# Altium PCB RPS_ARMOR_PCB_2022_V1.0.PcbDoc (continued)
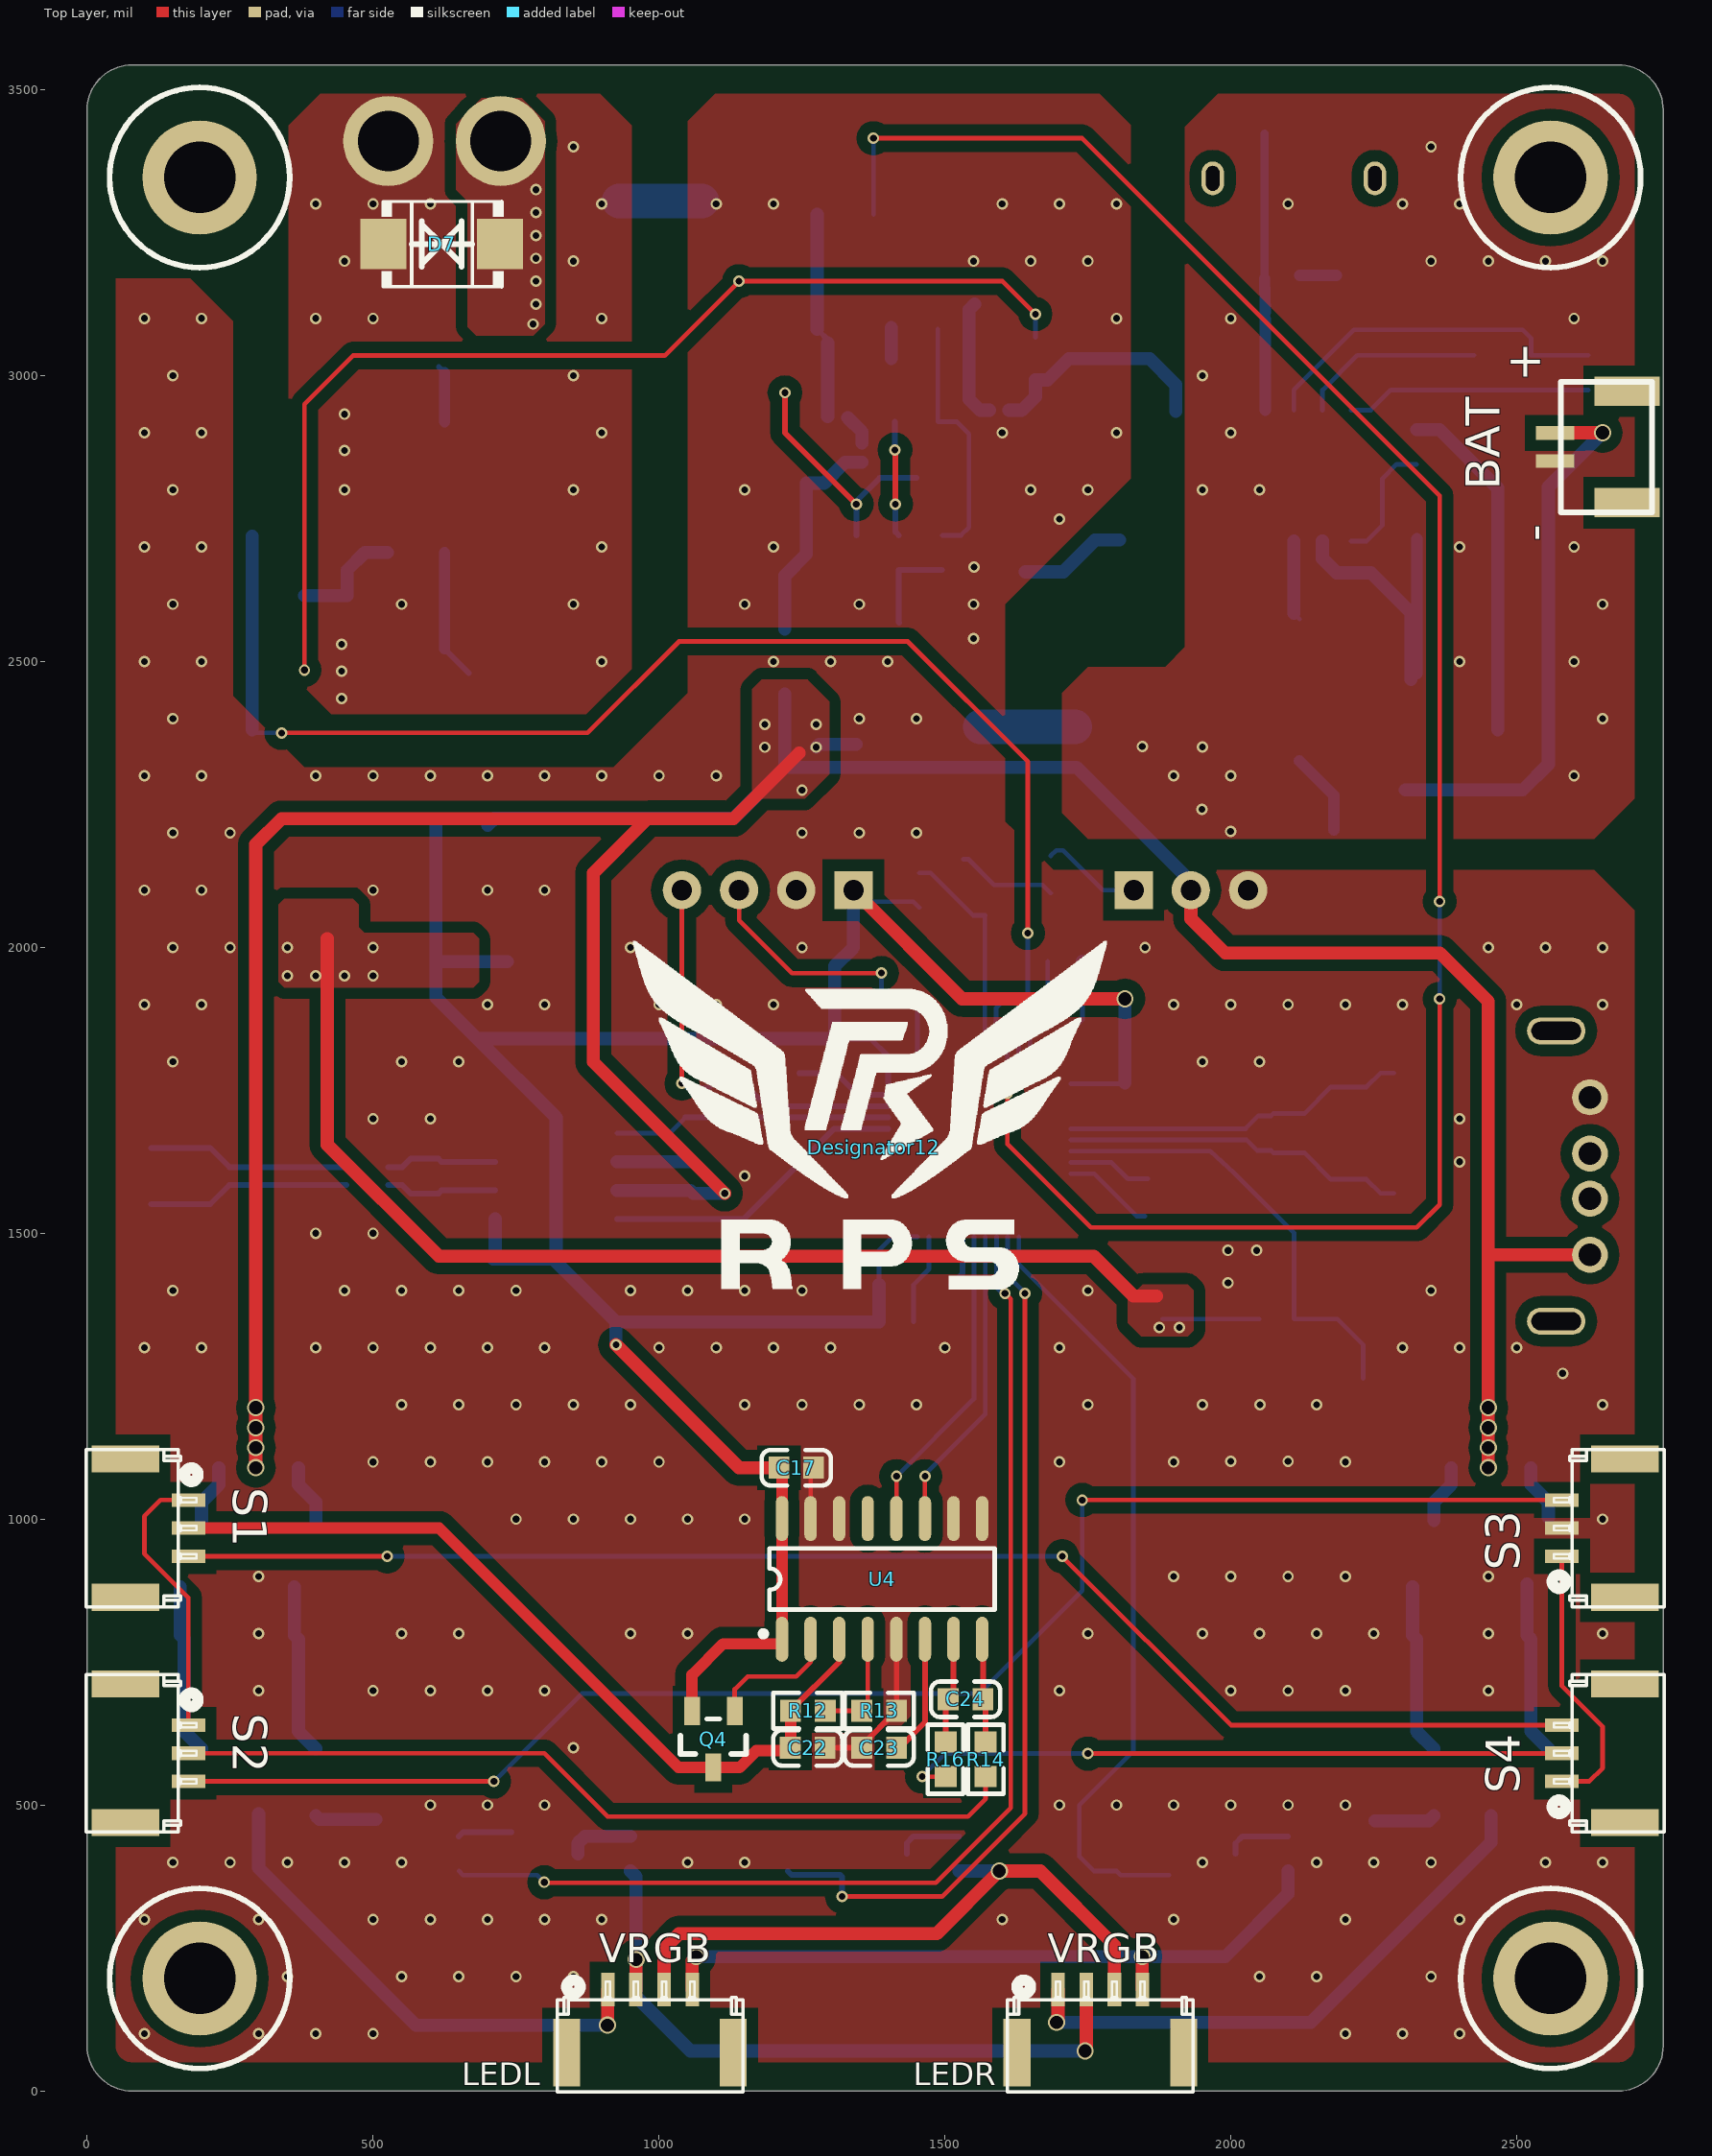
[diagram p0: Top Layer view]
## Footprints (in the part's own frame and the unit in brackets; to place one, negate y for a bottom-side part, rotate by r counter-clockwise, add the part's x,y. Pads: shape width x height; smd on the part's side, far side on the other; paste and mask are expansions set on the pad) (continued)
TP [mil]
  round 30 smd: 1(0,0)
  silkscreen extent -20,-20 20,20
"TSW SMD-6*6*8" [mm] "6*6*8mm"
  rect 2.7x1 smd: 1(-4.4,2.261)
  oval 2.7x1 smd: 2(-4.4,-2.239) 3(4.4,-2.239) 4(4.4,2.261)
  silkscreen extent -2.79,-2.79 2.79,2.79, body extent -4.5,-3 4.5,3, height 7.95
USB-A-TH_USB-A-F-1 [mm]
  oval 1.2x2.6 hole 0.8 slot 2.2 at 90 deg: 0(-6.45,-0.75) 0(6.45,-0.75)
  round 1.6 hole 1: 1(-3.5,0.75) 2(-1,0.75) 3(1,0.75) 4(3.5,0.75)
  silkscreen extent -6.25,-4.92 6.25,3.31
XH2.54-LS-2P [mm] "长：10mm，宽：6mm，高：8.3mm"
  rect 1.6x3 smd: 0(-4.826,1.016) 0(4.826,1.016)
  rect 1.2x5 smd: 1(-1.25,-3.383) 2(1.25,-3.383)
  silkscreen extent -5,-3.13 5,3, body extent -5,-6 5,3, height 8
XH2.54-LS-3P [mm] "长：12.5mm，宽：6mm，高：8.3mm"
  rect 1.6x3 smd: 0(-6.076,1.016) 0(6.076,1.016)
  rect 1.2x5 smd: 1(-2.5,-3.383) 2(0,-3.383) 3(2.5,-3.383)
  silkscreen extent -6.25,-3.13 6.25,3, body extent -6.25,-6 6.25,3, height 8
XT30UPB-M [mm]
  round 4 hole 2.7: 1(-2.5,0) 2(2.5,0)
  body extent -5.2,-2.7 5.2,2.6, height 12.6

## Part data
3.3V-LEDL 3.3V-LEDR 3.3V-MCU 3.7-4.2V 5V 5V-IN 24V GND: "测试点"
BAT: "GH1.25端子", BOM_Manufacturer="Changjiang Connectors", BOM_Manufacturer Part=A1257WR-S-2P, BOM_Supplier=LCSC, BOM_Supplier Part=C225125, Contributor=LCSC, spicePre=C, spiceSymbolName=A1257WR-S-2P
C1 C2 C3 C4 C6 C7 C18 C19 C25 C26 C29 C31 C41 C43 C47 C49: library part "0603 22uF (226) 20% 6.3V", "C109448", Package=0603, SuppliersPartNumber=C59461, ComponentLink1Description=供应商链接, ComponentLink1URL=http://www.szlcsc.com/product/details_60514.html, Supplier=LC
C5 C8: library part "0603 10uF (106) 10% 10V", "C19702", Package=0603, ComponentLink1Description=供应商链接, ComponentLink1URL=http://www.szlcsc.com/product/details_20411.html, Supplier=LC, SuppliersPartNumber=C19702
C9 C10 C13 C14 C15 C16: library part "1206 10uF (106) 10% 50V", "C2835503", Package=1206, SuppliersPartNumber=C13585, ComponentLink1Description=供应商链接, ComponentLink1URL=http://www.szlcsc.com/product/details_14236.html, Supplier=LC
C11 C12: library part "0805 1uF (105) 10% 50V", "C2217678", Package=0805, SuppliersPartNumber=C28323, ComponentLink1Description=供应商链接, ComponentLink1URL=http://www.szlcsc.com/product/details_29074.html, Supplier=LC
C17 C22: library part "0603 10uF (106) 10% 10V", "贴片电容", Package=0603, SuppliersPartNumber=C19702, ComponentLink1Description=供应商链接, ComponentLink1URL=http://www.szlcsc.com/product/details_20411.html, Supplier=LC
C20 C21 C23 C24 C27 C28 C30 C32 C42 C44 C48 C50 C52 C53 C55 C56: library part "0603 100nF (104) 10% 50V", "贴片电容", Package=0603, SuppliersPartNumber=C14663, ComponentLink1Description=供应商链接, ComponentLink1URL=http://www.szlcsc.com/product/details_15331.html, Supplier=LC
C33 C35 C37 C39 C45: library part "0603 1uF (105) 10% 50V", "贴片电容", Package=0603, SuppliersPartNumber=C15849, ComponentLink1Description=供应商链接, ComponentLink1URL=http://www.szlcsc.com/product/details_16531.html, Supplier=LC
C34 C36 C38 C40 C46: library part "0603 10nF (103) 10% 50V", "贴片电容", Package=0603, SuppliersPartNumber=C57112, ComponentLink1Description=供应商链接, ComponentLink1URL=http://www.szlcsc.com/product/details_58143.html, Supplier=LC
C51 C54: library part "0603 20pF (200) 5% 50V", "贴片电容", Package=0603, SuppliersPartNumber=C1648, ComponentLink1Description=供应商链接, ComponentLink1URL=http://www.szlcsc.com/product/details_2000.html, Supplier=LC
CAN: library part GH1.25-2P, "XH2.54端子", BOM_Manufacturer="Changjiang Connectors", BOM_Manufacturer Part=A1257WR-S-2P, BOM_Supplier=LCSC, BOM_Supplier Part=C225125, Contributor=LCSC, spicePre=C, spiceSymbolName=A1257WR-S-2P
CN5: library part GH1.25-3P, "XH2.54端子", BOM_Manufacturer="Changjiang Connectors", BOM_Manufacturer Part=A1257WV-S-3P, BOM_Supplier=LCSC, BOM_Supplier Part=C225119, Contributor=LCSC, spicePre=C, spiceSymbolName=A1257WV-S-3P
D1 D2: library part "SMA(DO-214AC) SS54", "C408258", Package=SMA(DO-214AC), SuppliersPartNumber=C22452, ComponentLink1Description=供应商链接, ComponentLink1URL=http://www.szlcsc.com/product/details_23178.html, Supplier=LC
D3 D4 D5 D6: library part "0603 蓝灯", "发光二极管", Package=0603, SuppliersPartNumber=C72041, ComponentLink1Description=供应商链接, ComponentLink1URL=http://www.szlcsc.com/product/details_73150.html, Supplier=LC
D7: library part SMBJ30CA-C78418, "C78418", BOM_JLCPCB Part Class="Extended Part", BOM_Manufacturer=Brightking, BOM_Manufacturer Part=SMBJ30CA, BOM_Supplier=LCSC, BOM_Supplier Part=C78418, spicePre=D, spiceSymbolName=SMBJ30CA-C78418
D8: library part "SOD-123 B5819W  SL", "C699157稳压二极管", Package=SOD-123, SuppliersPartNumber=C8598, ComponentLink1Description=供应商链接, ComponentLink1URL=http://www.szlcsc.com/product/details_9093.html, Supplier=LC
D9: "C113945", BOM_JLCPCB Part Class="Extended Part", BOM_Manufacturer="(MDD) Jiangsu Yutai Elec", BOM_Manufacturer Part=SB1045L, BOM_Supplier=LCSC, BOM_Supplier Part=C113945, Contributor=LCSC, spicePre=D, spiceSymbolName=SB1045L
F1: library part FSMD, "C883130", BOM_JLCPCB Part Class="Extended Part", BOM_Manufacturer=BHFUSE, BOM_Manufacturer Part=BSMD0603L-110, BOM_Supplier=LCSC, BOM_Supplier Part=C914093, Contributor=LCSC, spicePre=F, spiceSymbolName=BSMD0603L-110
L1: "C87572", BOM_JLCPCB Part Class="Extended Part", BOM_Manufacturer=TDK, BOM_Manufacturer Part=SPM6530T-1R0M120, BOM_Supplier=LCSC, BOM_Supplier Part=C87572, nameAlias=Inductance, spicePre=L, spiceSymbolName=SPM6530T-1R0M120
L2: library part "0805 47uH 10%", "C149588", Package=0805, SuppliersPartNumber=C14304, ComponentLink1Description=供应商链接, ComponentLink1URL=http://www.szlcsc.com/product/details_14964.html, Supplier=LC
L3: library part "0805 1uH 10%", "C1042", Package=0805, ComponentLink1Description=供应商链接, ComponentLink1URL=http://www.szlcsc.com/product/details_1394.html, Supplier=LC, SuppliersPartNumber=C1042
L4: library part "90Ω @100MHz", "C307642", BOM_JLCPCB Part Class="Extended Part", BOM_Manufacturer=TDK, BOM_Manufacturer Part=ACM2012H-900-2P-T00, BOM_Supplier=LCSC, BOM_Supplier Part=C76575, nameAlias=Value, spicePre=L, spiceSymbolName=ACM2012H-900-2P-T00
LED SW2: "C136667", BOM_JLCPCB Part Class="Extended Part", BOM_Manufacturer="XKB Enterprise", BOM_Manufacturer Part=TS-1102S-C-K-B, BOM_Supplier=LCSC, BOM_Supplier Part=C381049, Contributor=LCSC, spicePre=S, spiceSymbolName=TS-1102S-C-K-B
LEDL LEDR: "GH1.25端子", BOM_Manufacturer="Changjiang Connectors", BOM_Manufacturer Part=A1257WV-S-4P, BOM_Supplier=LCSC, BOM_Supplier Part=C225120, Contributor=LCSC, spicePre=C, spiceSymbolName=A1257WV-S-4P
P1: "XT端子"
P2: "Header, 4-Pin", LatestRevisionDate=17-Jul-2002, LatestRevisionNote="Re-released for DXP Platform.", Publisher="Altium Limited"
P3: "Header, 3-Pin", LatestRevisionDate=17-Jul-2002, LatestRevisionNote="Re-released for DXP Platform.", Publisher="Altium Limited"
Q1 Q2: "MOS(场效应管)", Package=SOT-23, SuppliersPartNumber=C15127, ComponentLink1Description=供应商链接, ComponentLink1URL=http://www.szlcsc.com/product/details_15801.html, Supplier=LC
Q3: library part "SOT-23 MMBT5401 2L", "C53444 三极管", Package=SOT-23, SuppliersPartNumber=C8326, ComponentLink1Description=供应商链接, ComponentLink1URL=http://www.szlcsc.com/product/details_8818.html, Supplier=LC
Q4: library part "SOT-23 SS8550 Y2", "C8542", Package=SOT-23, ComponentLink1Description=供应商链接, ComponentLink1URL=http://www.szlcsc.com/product/details_9037.html, Supplier=LC, SuppliersPartNumber=C8542
Q5: library part "SOT-23 MMBT5551  G1", "C20526三极管", Package=SOT-23, SuppliersPartNumber=C2145, ComponentLink1Description=供应商链接, ComponentLink1URL=http://www.szlcsc.com/product/details_2502.html, Supplier=LC
Q6 Q7 Q8: library part "AO3400A N道沟 X0YV1T SOT-23", "MOS(场效应管)", Package=SOT-23, SuppliersPartNumber=C20917, ComponentLink1Description=供应商链接, ComponentLink1URL=http://www.szlcsc.com/product/details_21629.html, Supplier=LC
R1 R2: library part "0402 0Ω (0R0) 1%", "贴片电阻", Package=0402, SuppliersPartNumber=C17168, ComponentLink1Description=供应商链接, ComponentLink1URL=http://www.szlcsc.com/product/details_17853.html, Supplier=LC
R3: library part "0603 47KΩ (4702) 1%", "贴片电阻", Package=0603, SuppliersPartNumber=C25819, ComponentLink1Description=供应商链接, ComponentLink1URL=http://www.szlcsc.com/product/details_26562.html, Supplier=LC
R4: library part "0603 1Ω (1R00) 1%", "C25225", Package=0603, SuppliersPartNumber=C22936, ComponentLink1Description=供应商链接, ComponentLink1URL=http://www.szlcsc.com/product/details_23663.html, Supplier=LC
R5: library part "1206 0.1Ω (R100) 1%", "C104947", Package=1206, SuppliersPartNumber=C25334, ComponentLink1Description=供应商链接, ComponentLink1URL=http://www.szlcsc.com/product/details_26077.html, Supplier=LC
R6 R25 R29: library part "0603 4.7KΩ (4701) 1%", "贴片电阻", Package=0603, SuppliersPartNumber=C23162, ComponentLink1Description=供应商链接, ComponentLink1URL=http://www.szlcsc.com/product/details_23889.html, Supplier=LC
R7 R8 R20 R21 R24: library part "0603 10KΩ (1002) 1%", "贴片电阻", Package=0603, SuppliersPartNumber=C25804, ComponentLink1Description=供应商链接, ComponentLink1URL=http://www.szlcsc.com/product/details_26547.html, Supplier=LC
R9 R10 R30 R31 R32: library part "0603 100KΩ (1003) 1%", "贴片电阻", Package=0603, SuppliersPartNumber=C25803, ComponentLink1Description=供应商链接, ComponentLink1URL=http://www.szlcsc.com/product/details_26546.html, Supplier=LC
R11: library part "0603 3.3KΩ (3301) 1%", "贴片电阻", Package=0603, SuppliersPartNumber=C22978, ComponentLink1Description=供应商链接, ComponentLink1URL=http://www.szlcsc.com/product/details_23705.html, Supplier=LC
R12: library part "0603 20KΩ (2002) 1%", "C4184", Package=0603, ComponentLink1Description=供应商链接, ComponentLink1URL=http://www.szlcsc.com/product/details_4591.html, Supplier=LC, SuppliersPartNumber=C4184
R13: library part "0603 8.2KΩ (8201) 1%", "C25981", Package=0603, ComponentLink1Description=供应商链接, ComponentLink1URL=http://www.szlcsc.com/product/details_26724.html, Supplier=LC, SuppliersPartNumber=C25981
R14 R16 R33 R34: library part "0603 100Ω (1000) 1%", "贴片电阻", Package=0603, SuppliersPartNumber=C22775, ComponentLink1Description=供应商链接, ComponentLink1URL=http://www.szlcsc.com/product/details_23502.html, Supplier=LC
R15 R17 R18 R19: library part "1206 0.1Ω (R100) 1%", "贴片电阻", Package=1206, SuppliersPartNumber=C25334, ComponentLink1Description=供应商链接, ComponentLink1URL=http://www.szlcsc.com/product/details_26077.html, Supplier=LC
R22: library part "0603 1MΩ (1004) 1%", "贴片电阻", Package=0603, SuppliersPartNumber=C22935, ComponentLink1Description=供应商链接, ComponentLink1URL=http://www.szlcsc.com/product/details_23662.html, Supplier=LC
R23: library part "0603 120Ω (1200) 1%", "贴片电阻", Package=0603, SuppliersPartNumber=C22787, ComponentLink1Description=供应商链接, ComponentLink1URL=http://www.szlcsc.com/product/details_23514.html, Supplier=LC
R26 R27 R28: library part "0603 1KΩ (1001) 1%", "贴片电阻", Package=0603, SuppliersPartNumber=C21190, ComponentLink1Description=供应商链接, ComponentLink1URL=http://www.szlcsc.com/product/details_21904.html, Supplier=LC
S1 S2 S3 S4: "GH1.25端子", BOM_Manufacturer="Changjiang Connectors", BOM_Manufacturer Part=A1257WV-S-3P, BOM_Supplier=LCSC, BOM_Supplier Part=C225119, Contributor=LCSC, spicePre=C, spiceSymbolName=A1257WV-S-3P
SW1: library part "MST-22D18G2 3J", "C514026", BOM_Manufacturer="SHOU HAN", BOM_Manufacturer Part="MST-22D18G2 3J", BOM_Supplier=LCSC, BOM_Supplier Part=C668586, Contributor=LCSC, spicePre=S, spiceSymbolName="MST-22D18G2 3J"
SW4: "C318938", BOM_JLCPCB Part Class="Extended Part", BOM_Manufacturer="XKB Connectivity(中国星坤)", BOM_Manufacturer Part=TS-1101-C-W, BOM_Supplier=LCSC, BOM_Supplier Part=C318938, Contributor=LCSC, spicePre=S, spiceSymbolName=TS-1101-C-W
U1: "C181692", BOM_JLCPCB Part Class="Extended Part", BOM_Manufacturer=INJOINIC, BOM_Manufacturer Part=IP5306, BOM_Supplier=LCSC, BOM_Supplier Part=C181692, Contributor=LCSC, spicePre=U, spiceSymbolName=IP5306
U2: "C2683415", BOM_JLCPCB Part Class="Extended Part", BOM_Manufacturer=MICRONE(南京微盟), BOM_Manufacturer Part=ME3148ASPG, BOM_Supplier=LCSC, BOM_Supplier Part=C2683415, Contributor=LCSC, spicePre=U, spiceSymbolName=ME3148ASPG
U3: "ARM", Package=LQFP-48_7x7x05P, SuppliersPartNumber=C8734, ComponentLink1Description=供应商链接, ComponentLink1URL=http://www.szlcsc.com/product/details_9243.html, Supplier=LC
U4: BOM_JLCPCB Part Class="Extended Part", BOM_Manufacturer=AVIA, BOM_Manufacturer Part=HX711, BOM_Supplier=LCSC, BOM_Supplier Part=C43656, spicePre=U, spiceSymbolName=HX711
U5: "C6952(C313021)", BOM_JLCPCB Part Class="Basic Part", BOM_Manufacturer=NXP, BOM_Manufacturer Part=TJA1050T/CM,118, BOM_Supplier=LCSC, BOM_Supplier Part=C6952, spicePre=U, spiceSymbolName=TJA1050T/CM,118
USB: library part MICRO-USB-SMD_LI, "C2834965 Micro-B 母座 立贴", BOM_JLCPCB Part Class="Extended Part", BOM_Manufacturer=Yuandi(台湾元迪), BOM_Manufacturer Part=MICRO-21-P2-T3, BOM_Supplier=LCSC, BOM_Supplier Part=C2834965, Contributor=LCSC, spicePre=U, spiceSymbolName=MICRO-21-P2-T3
USB2: BOM_JLCPCB Part Class="Extended Part", BOM_Manufacturer=LCSC, BOM_Manufacturer Part=-, BOM_Supplier=LCSC, BOM_Supplier Part=C109357, Contributor=立创EDA官方封装库, spicePre=U, spiceSymbolName=A/F_C109357
VR1: library part "SOT-223 AMS1117-3.3", "低压差线性稳压(LDO)", Package=SOT-223, SuppliersPartNumber=C6186, ComponentLink1Description=供应商链接, ComponentLink1URL=http://www.szlcsc.com/product/details_6652.html, Supplier=LC
VR2 VR3 VR4 VR5: library part "SOT-23 XC6206P332MR", "低压差线性稳压(LDO)", Package=SOT-23, SuppliersPartNumber=C5446, ComponentLink1Description=供应商链接, ComponentLink1URL=http://www.szlcsc.com/product/details_5896.html, Supplier=LC
Y1: library part "SMD-5032_2P 8MHz 20ppm 20pF", "贴片晶振", Package=SMD-5032_2P, SuppliersPartNumber=C115962, ComponentLink1Description=供应商链接, ComponentLink1URL=http://www.szlcsc.com/product/details_117214.html, Supplier=LC

## Via types
v1: diameter 20, hole 12, Top Layer to Bottom Layer, tented both sides, 330 vias
v2: diameter 30, hole 23, Top Layer to Bottom Layer, tented both sides, 17 vias

## Nets (pads, with @x,y where several pads share a name; then routed paths per layer and width w, separated by ;. In a path a pad name is that pad's centre, name@x,y a point inside that pad or via, vN(x,y) a via of type N, cw(c..) or ccw(c..) an arc to the next point about the centre after c; other vN are vias at no path point)
3.3V-LEDL: 3.3V-LEDL.1 LEDL.1 R15.2 R17.2 | length 988.9
  Top Layer w23: v2(910,115) 910.43,115.43 LEDL.1
  Bottom Layer w23: 300,485 300,390 575,115 v2(910,115) ; R17.2 406.34,475 3.3V-LEDL.1
3.3V-LEDR: 3.3V-LEDR.1 LEDR.1 R18.2 R19.2 | length 1102.1
  Top Layer w23: v2(1695,120) 1697.83,122.83 LEDR.1
  Bottom Layer w23: v2(1695,120) 2140,120 2455,435 2455,481.34 ; 3.3V-LEDR.1 2346.16,472.5 R18.2
3.3V-MCU: 3.3V-MCU.1 C17.2 C19.2 C21.2 C33.2 C34.2 C35.2 C36.2 C37.2 C38.2 C39.2 C40.2 C55.2 C56.1 L3.1 P2.1 Q4.2 R20.2 R25.1 U3.1 U3.24 U3.36 U3.48 U4.1 U4.16 U5.5 VR1.2 | length 7267.3
  Top Layer w20: Q4.2 1057.6,727.6 1111.91,781.91 1215,781.91 1215,1008.09 1215,1084.68 C17.2@1209.68,1084.68
  Top Layer w23: 420,2015 420,1655 615,1460 1760,1460 1830,1390 1870,1390 ; v1(924.69,1305) 1139.69,1090 1204.37,1090 C17.2@1209.68,1084.68 ; P2.1 1530,1910 v2(1814.69,1910)
  Bottom Layer w8: P2.1 1360,2080 1444.69,2080 R25.1 ; C38.2 1384.68,1469.68 1408.82,1493.82 U3.24 ; U3.48@1668.27,1814.45 1680.95,1814.45 1740.31,1873.82 C36.2 C36.2@1740.31,1914.69 ; U3.1 1812.95,1761.54 C40.2@1814.69,1763.27 ; 1880,1350 R20.2
  Bottom Layer w10: C34.2@1306.89,1843.42 C34.2 1369.69,1840.31 1400.55,1809.45 U3.36@1400.55,1763.27
  Bottom Layer w23: VR1.2@610,2213.43 VR1.2@610,1977.2 ; U5.5 713.5,1458.82 C55.2 820,1455.32 820,1702.5 682.19,1840.31 ; 3.3V-MCU.1 612.2,1975 VR1.2@610,1977.2 ; 820,1449.69 924.69,1345 ; v1(924.69,1305) 924.69,1345 ; P2.1 1340,2000 1306.89,1966.89 C56.1 1306.89,1843.42 1303.78,1840.31 C33.2 682.19,1840.31 ; C38.2 C37.2 924.69,1345 ; C35.2@1740.31,1975.32 1740.31,1914.69 1745,1910 v2(1814.69,1910) C39.2 C40.2 C40.2@1814.69,1763.27 ; VR1.2@610,1977.2 610,1912.5 682.19,1840.31
  other v1: 1875,1335 1910,1335 350,1950 400,1950 450,1950 500,1950 350,2000 500,2000
5V: 5V-IN.1 C18.2 C20.2 C26.2 C27.2 C29.2 C30.2 C41.2 C42.2 C47.2 C48.2 C53.1 F1.2 P3.2 U5.3 USB2.1 VR1.3 VR2.3 VR3.3 VR4.3 VR5.3 | length 6693.8
  Top Layer w23: v2(295,1090) v2(295,1125) v2(295,1160) v2(295,1195) 295,2180 340,2225 980,2225 ; v1(1115,1569.69) 885,1799.69 885,2130 980,2225 ; 1245,2340 1130,2225 980,2225 ; P3.2 1930,2050 1990,1990 2365.32,1990 2450,1905.32 2450,1465 ; v2(2450,1090) v2(2450,1125) v2(2450,1160) v2(2450,1195) 2450,1265 2450,1465 ; USB2.1 2452.79,1462.21 2450,1465
  Bottom Layer w23: VR2.3 200,1030 230.31,1060.31 C27.2 ; C30.2 369.69,1060.31 400,1030 VR3.3 ; VR1.3 712.44,2225.32 C20.2 C18.2 1130.32,2225.32 1220,2315 ; U5.3 1054.69,1575 C53.1 v1(1115,1569.69) ; F1.2 1220,2315 ; v1(1275,2350) 1280,2355 5V-IN.1 ; P3.2 1930,2115 1730,2315 1220,2315 ; VR4.3 2355,1030 2385.31,1060.31 C42.2 ; C48.2 2524.68,1060.32 2555,1030 VR5.3
  other v1: 1250,2275 1185,2350 1185,2390 1275,2390
5V-BAT: Q1.2 R1.1 SW1.3 | length 411.4
  Bottom Layer w23: R1.1 1634.5,2939.5 1658.07,2963.07 Q1.2 1679.67,2992.28 1717.07,3029.69 1857.81,3029.69 1903.42,2984.08 SW1.3
5V-EX: C12.2 C13.2 C14.2 C15.2 C16.2 D2.1 L2.2 Q1.1 R8.2 R9.2 | length 1966
  Top Layer w8: v1(380,2485) 380,2950 465,3035 1010,3035 v1(1140,3165) 1600.57,3165 v1(1658.07,3107.5)
  Bottom Layer w8: v1(380,2485) R8.2 ; Q1.1 v1(1658.07,3107.5)
5V-IN: 5V.1 CN5.3 D2.2 Q1.3 Q2.2 Q3.2 R1.2 R2.1 R3.2 | length 1128.4
  Bottom Layer w8: 1487.4,3081.3 Q3.2 1520.79,2919.21 1541.93,2898.07 1541.93,2734.43 1528.13,2720.63 R3.2
  Bottom Layer w10: D2.2@1276.57,3081.1 D2.2 D2.2@1295,3057.32
  Bottom Layer w23: D2.2@1276.57,3081.1 CN5.3 ; Q2.2 D2.2@1295,3057.32 ; 1330.16,2926.26 1355,2901.42 R2.1 ; 5V.1 1406.3,3083.7 ; 1551.93,3125 1541.93,3115 Q1.3 1541.93,2958.86 1561.29,2939.5 R1.2
24V: 24V.1 C9.2 C10.2 C11.2 D7.2 P1.1 U2.8
  other v1: 780,3090 785,3125 785,3165 785,3205 785,3245 785,3285 785,3325
BOOT0: R21.1 U3.44 | length 106.5
  Bottom Layer w8: U3.44@1589.53,1814.45 1589.53,1894.53 1599.69,1904.69 R21.1@1611.73,1904.69
BOOT1: R24.1 U3.20 | length 91.7
  Bottom Layer w10: R24.1 1531.02,1430 U3.20
CAN-DIFF_N: CAN.1 L4.3 | length 355.4
  Bottom Layer w10: CAN.1 215.24,1550.79 248.7,1584.25 L4.3
CAN-DIFF_P: CAN.2 L4.4 | length 355.4
  Bottom Layer w10: CAN.2 215.24,1649.21 248.7,1615.75 L4.4
CAN-RX(PA11): U3.32 U5.4 | length 540
  Bottom Layer w10: U5.4 1148.46,1525 1306.26,1682.8 U3.32
CAN-TX(PA12): U3.33 U5.1 | length 486
  Bottom Layer w8: U5.1 1018.46,1675 1045.94,1702.48
  Bottom Layer w10: 1045.94,1702.48 U3.33
FDBK: CN5.2 U3.45 | length 3613.5
  Top Layer w8: v1(1375,3415) 1740,3415 2365,2790 v1(2365,2080) ; v1(1609.21,1745) 1609.21,1655.79 1755,1510 2325,1510 2365,1550 v1(2365,1910)
  Bottom Layer w8: CN5.2 v1(1375,3415) ; v1(1609.21,1745) U3.45@1609.21,1814.45 ; v1(2365,1910) v1(2365,2080)
GND: BAT.1 C1.2 C2.2 C3.2 C4.2 C5.1 C6.1 C7.1 C8.1 C9.1 C10.1 C12.1 C13.1 C14.1 C15.1 C16.1 C17.1 C18.1 C19.1 C20.1 C21.1 C22.1 C23.1 C25.1 C26.1 C27.1 C28.1 C29.1 C30.1 C31.1 C32.1 C33.1 C34.1 C35.1 C36.1 C37.1 C38.1 C39.1 C40.1 C41.1 C42.1 C43.1 C44.1 C45.1 C46.1 C47.1 C48.1 C49.1 C50.1 C51.2 C52.2 C53.2 C54.2 C55.1 C56.2 CN5.1 D7.1 D8.1 D9.1 D9.2 GND.1 LED.2 LED.3 P1.2 P2.2 P3.3 Q5.2 Q6.2 Q7.2 Q8.2 R9.1 R10.1 R11.1 R13.2 R21.2 R24.2 R30.1 R31.1 R32.1 S3.2 SW2.2 SW2.3 SW4.2 U1.9 U2.3 U2.5 U3.8 U3.23 U3.35 U3.47 U4.5 U4.9 U4.10 U4.14 U4.15 U5.2 U5.8 USB2.4 USB.5 VR1.1 VR2.1 VR3.1 VR4.1 VR5.1 | length 1547
  Top Layer w8: U4.15@1265,1008.09 1265,1084.68 C17.1
  Top Layer w10: C22.1 C23.1 1354.69,604.37 R13.2 1415.32,781.59 U4.5@1415,781.91
  Bottom Layer w8: C37.1 C38.1 1471.97,1436.97 U3.23 ; U3.47@1648.58,1814.45 1648.58,1853.58 1679.68,1884.68 C36.1 ; C36.1@1679.68,1914.69 C35.1@1679.68,1975.32 ; U3.8 1791.26,1623.74 1819.68,1595.32 C46.1
  Bottom Layer w10: R30.1 657.09,452.4 Q6.2 ; C53.2@1054.68,1625 C53.2 ; C33.1 C34.1 1347.83,1741.85 U3.35
  Bottom Layer w23: U5.2 C53.2@1054.68,1625
  Bottom Layer w60: 930,3305 1075,3305 ; 1561.7,2385.71 1727.5,2385.71
  other v1: 100,100 300,100 400,100 500,100 2200,100 2300,100 2400,100 350,200 550,200 650,200 750,200 850,200 2050,200 2150,200 2350,200 100,300 300,300 500,300 600,300 700,300 800,300 900,300 1600,300 1900,300 2200,300 2400,300 150,400 250,400 350,400 450,400 550,400 1050,400 1150,400 1950,400 2150,400 2250,400 2350,400 2550,400 2650,400 600,500 700,500 800,500 1700,500 1800,500 1900,500 2000,500 2100,500 2200,500 850,600 300,700 500,700 600,700 700,700 800,700 1700,700 2000,700 2100,700 2200,700 2450,700 300,800 550,800 650,800 950,800 1050,800 1750,800 1950,800 2050,800 2150,800 2250,800 2450,800 2650,800 299.84,900 1900,900 2000,900 2100,900 2200,900 2450,900 750,1000 850,1000 950,1000 1050,1000 1150,1000 2650,1000 500,1100 600,1100 700,1100 800,1100 900,1100 1000,1100 1700,1100 1900,1100 2200,1100 2000,1101.2 2100,1101.2 550,1200 650,1200 750,1200 850,1200 950,1200 1150,1200 1250,1200 1350,1200 1450,1200 1750,1200 1950,1200 2050.71,1200 2150,1200 2650,1200 2580,1255 100,1300 200,1300 400,1300 500,1300 600,1300 700,1300 800,1300 1000,1300 1100,1300 1200,1300 1300,1300 1500,1300 1700,1300 2300,1300 2400,1300 2500,1300 150,1400 450,1400 550,1400 650,1400 750,1400 950,1400 1050,1400 1150,1400 1250,1400 1750,1400 2350,1400 1995,1413.36 1995,1470 2045,1470 400,1500 500,1500 1150,1600 2400,1625 500,1700 600,1700 2400,1700 150,1800 550,1800 650,1800 1950,1800 2050,1800 100,1900 200,1900 700,1900 800,1900 1000,1900 1100,1900 1200,1900 1900,1900 2000,1900 2100,1900 2200,1900 2300,1900 2500,1900 2649.75,1900 150,2000 250,2000 950,2000 1250,2000 1850,2000 2450,2000 2550,2000 2650,2000 100,2100 200,2100 500,2100 700,2100 800,2100 150,2200 250,2200 1250,2200 1350,2200 1450,2200 1999.42,2202.85 1949.42,2241.16 100,2300 200,2300 400,2300 500,2300 600,2300 700,2300 800,2300 900,2300 1000,2300 1100,2300 1900,2300 2000,2300 2600,2300 1845,2351.34 1950,2350.53 150,2400 1350,2400 1450,2400 2650,2400 445,2435 445,2483.08 100,2500 200,2500 900,2500 1200,2500 1300,2500 1400,2500 2400,2500 2600,2500 445,2530 1550,2540 150,2600 550,2600 850,2600 1150,2600 1350,2600 1550,2600 2650,2600 1550.71,2665 100,2700 200,2700 900,2700 1200,2700 2400,2700 2600,2700 1700,2748.84 150,2800 450,2800 850,2800 1150,2800 1650,2800 1750,2800 1950,2800 2050,2800 450,2869.21 100,2900 200,2900 900,2900 1600,2900 1800,2900 2000,2900 450,2932.39 150,3000 850,3000 1950,3000 100,3100 200,3100 400,3100 500,3100 900,3100 1800,3100 2000,3100 2600,3100 450,3200 850,3200 1550,3200 1650,3200 1750,3200 2350,3200 2450,3200 2550,3200 2650,3200 400,3300 500,3300 600,3300 900,3300 1100,3300 1200,3300 1600,3300 1700,3300 1800,3300 2100,3300 2300,3300 2400,3300 850,3400 2350,3400
GND-LEDB: LEDL.4 LEDR.4 R27.2 | length 1243.6
  Top Layer w10: LEDR.4@1845,177.64 LEDR.4
  Top Layer w23: LEDL.4 1058.07,228.07 v2(1065,235) ; LEDR.4@1845,177.64 v2(1845,235)
  Bottom Layer w23: v2(1065,235) 1065,235.87 1069.13,240 1074.13,235 v2(1845,235) 1990,235 2100,345 R27.2
GND-LEDG: LEDL.3 LEDR.3 R28.2 | length 1116.9
  Top Layer w23: LEDL.3 1008.86,248.86 1035,275 1485.32,275 v2(1595,384.68) 1666.58,384.68 1796.26,255 LEDR.3
  Bottom Layer w23: R28.2 v2(1595,384.68)
GND-LEDR: LEDL.2 LEDR.2 R26.2 | length 1209.2
  Top Layer w10: LEDL.2 LEDL.2@960,177.52
  Top Layer w23: LEDL.2@960,177.52 v2(960,230) ; v2(1745,70) 1747.05,72.05 LEDR.2
  Bottom Layer w23: R26.2 960,374.68 v2(960,230) 960,165 1055,70 v2(1745,70)
HX711-DOUT: U3.19 U4.12 | length 541.9
  Top Layer w8: U4.12@1415,1008.09 1415.32,1008.41 v1(1415.32,1075)
  Bottom Layer w8: v1(1415.32,1075) 1550.71,1210.39 U3.19
HX711-SCK: U3.18 U4.11 | length 530.8
  Top Layer w8: U4.11@1465,1008.09 v1(1465,1075)
  Bottom Layer w8: v1@1467.5,1072.5 1467.5,1080.53 1570.39,1183.42 U3.18
LED-B: Q7.1 R31.2 U3.15 | length 1376
  Bottom Layer w8: U3.15 1629.45,1445.55 1829.29,1245.71 1829.29,594.29 1735,500 1735,410 1760.32,384.68 R31.2 1807.09,377.6 Q7.1
LED-CTRL: LED.1 LED.4 U3.46 | length 2367.8
  Top Layer w8: v1(340,2375) 875,2375 1035,2535 1435,2535 1645,2325 v1(1645,2025)
  Bottom Layer w8: LED.1@288.59,2380.71 294.3,2375 v1(340,2375) ; U3.46@1628.9,1814.45 1628.9,1866.1 1645,1882.2 v1(1645,2025)
  Bottom Layer w23: LED.1@288.59,2380.71 LED.4@288.59,2719.29
LED-G: Q8.1 R32.2 U3.16 | length 1540.4
  Top Layer w8: v1@1315,340 v1(1320,340) 1495,340 1640,485 1640,924.64 1639.96,924.68 1639.96,945.4 1640,945.44 v1(1640,1395)
  Bottom Layer w8: U3.16 1609.76,1425.24 1615,1420 1615.36,1420 1640,1395.36 v1(1640,1395)
  Bottom Layer w10: R32.2 1232.09,377.6 Q8.1 1320,374.53 v1(1320,340)
LED-R: Q6.1 R30.2 U3.17 | length 2039.5
  Top Layer w8: v1@799.45,364 1484,364 1615,495 1615,1385 v1(1605,1395)
  Bottom Layer w8: R30.2 657.09,377.6 Q6.1 786.85,377.6 v1(799.45,365) ; U3.17 1590.08,1404.92 1600,1395 v1(1605,1395)
NetC1_1: C1.1 C2.1 C3.1 C4.1 D1.1 U1.8
NetC5_2: C5.2 R4.2 U1.1 USB.1 | length 471.4
  Bottom Layer w15: R4.2@2058.82,3169.68 USB.1@2058.82,3422.74
  Bottom Layer w20: R4.2@2058.82,3169.68 C5.2@2060,3110.9 ; U1.1 C5.2@2060,3099.1
NetC7_2: C7.2 R5.1 U1.6 | length 591.4
  Bottom Layer w8: R5.1 R5.1@2325,2478.66
  Bottom Layer w20: R5.1@2325,2478.66 C7.2
  Bottom Layer w23: U1.6 2160,2680 2185,2655 2245,2655 2315,2585 R5.1
NetC8_2: C8.2 R4.1 | length 64.4
  Bottom Layer w20: R4.1 C8.2
NetC11_1: C11.1 U2.7 | length 99.7
  Bottom Layer w10: C11.1 C11.1@625,3004.96
  Bottom Layer w20: U2.7 C11.1@625,3004.96
NetC23_2: C23.2 U4.6 | length 207.5
  Top Layer w10: C23.2@1415.32,595 1465,644.68 U4.6@1465,781.91
NetC24_1: C24.1 R16.1 U4.7 | length 177.4
  Top Layer w10: R16.1 1501.1,680.31 C24.1 1515,694.21 U4.7@1515,781.91
NetC24_2: C24.2 R14.1 U4.8 | length 174.1
  Top Layer w10: U4.8@1565,781.91 1566.42,780.49 C24.2 1571.1,680.32 R14.1
NetC25_2: C25.2 C28.2 R15.1 VR2.2 | length 298.8
  Bottom Layer w23: VR2.2 162.6,797.09 C25.2 C28.2 169.69,628.98 R15.1
NetC31_2: C31.2 C32.2 R17.1 VR3.2 | length 298.8
  Bottom Layer w23: VR3.2 362.6,797.09 C31.2 C32.2 369.69,628.98 R17.1
NetC43_2: C43.2 C44.2 R18.1 VR4.2 | length 298.8
  Bottom Layer w23: VR4.2 2317.6,797.09 C43.2 C44.2 2324.69,628.98 R18.1
NetC45_2: C45.2 C46.2 L3.2 U3.9 | length 160.8
  Bottom Layer w8: U3.9 1760.94,1604.06 1835.31,1529.69 C46.2@1850,1529.69
NetC49_2: C49.2 C50.2 R19.1 VR5.2 | length 303.8
  Bottom Layer w23: VR5.2 2517.6,797.09 C49.2 C50.2 2524.69,628.98 R19.1
NetD1_2: D1.2 SW1.2 | length 188
  Bottom Layer w23: D1.2 1706.81,2656.81 1762.28,2712.28 SW1.2
NetD3_A: D3.A D4.K U1.2 | length 629.9
  Bottom Layer w8: U1.2 2110,2975 2215,3080 2510,3080 2525,3065 D4.K D3.A
NetD3_K: D3.K D4.A D5.K D6.A U1.4 | length 429.6
  Bottom Layer w8: U1.4 2244.5,2939.5 2279.68,2974.68 D6.A D5.K D4.A D3.K
NetD5_A: D5.A D6.K U1.3 | length 325.3
  Bottom Layer w8: U1.3 2160,2974.6 2220.71,3035.31 D6.K D5.A
NetD8_2: D8.2 R3.1 R6.1 | length 168
  Bottom Layer w10: D8.2 1419.21,2568.86 R6.1 R3.1
NetD9_3: D9.3 L2.1 U2.2 U2.9 | length 227.9
  Bottom Layer w10: D9.3@625,2522 D9.3
  Bottom Layer w20: D9.3@625,2522 U2.2
NetF1_1: F1.1 Q2.3 R2.2 | length 383
  Bottom Layer w23: F1.1 1220,2650 1257.6,2687.6 1257.6,2811.93 1288.86,2811.97 1325.16,2848.27 R2.2
NetL1_1: L1.1 U1.7 | length 140.5
  Bottom Layer w8: L1.1@2110,2584.13 L1.1
  Bottom Layer w23: L1.1@2110,2584.13 U1.7
NetL4_1: L4.1 R23.2 U5.7 | length 195.6
  Bottom Layer w10: L4.1 551.14,1615.75 565.71,1630.32 R23.2 614.29,1630.32 619.61,1625 U5.7
NetL4_2: L4.2 R23.1 U5.6 | length 195.6
  Bottom Layer w10: L4.2 551.14,1584.25 565.71,1569.69 R23.1 614.29,1569.69 619.61,1575 U5.6
NetP2_3: P2.3 R34.1 | length 384.7
  Top Layer w8: P2.3 1140,2047.5 1232.5,1955 v1(1388.9,1955)
  Bottom Layer w8: R34.1 v1(1388.9,1955)
NetP2_4: P2.4 R33.1 | length 390.5
  Top Layer w8: v1(1040,1762.17) P2.4
  Bottom Layer w8: v1(1040,1762.17) 1047.17,1755 R33.1
NetP3_1: P3.1 R29.1 | length 177.9
  Bottom Layer w8: R29.1@1685,2160 1694.76,2169.76 1706.49,2169.76 1776.26,2100 P3.1
NetQ2_1: Q2.1 Q3.3 R10.2 | length 469.9
  Top Layer w10: v1(1220.2,2970) 1220.2,2899.8 v1(1345,2775)
  Bottom Layer w8: Q2.1 v1(1220.2,2970)
  Bottom Layer w10: R10.2 v1(1345,2775) 1345,2780 1385.79,2820.79 Q3.3
NetQ3_1: Q3.1 R6.2 | length 201.3
  Top Layer w10: v1(1412.6,2870.04) 1413.42,2869.21 v1(1413.42,2775)
  Bottom Layer w10: v1(1412.6,2870.04) Q3.1 ; v1(1413.42,2775) 1413.42,2726.42 R6.2
NetQ4_1: Q4.1 U4.2 | length 222.4
  Top Layer w8: Q4.1 1132.4,702.4 1155,725 1240,725 1265,750 U4.2@1265,781.91
NetQ5_1: Q5.1 R29.2 | length 176.9
  Bottom Layer w8: Q5.1 1540.79,2154.21 1585.77,2109.23 1670.77,2109.23 R29.2@1685,2095
NetQ6_3: Q6.3 R26.1 | length 115.1
  Bottom Layer w23: Q6.3 858.07,433.07 870.31,445.31 R26.1
NetQ7_3: Q7.3 R27.1 | length 115.3
  Bottom Layer w10: Q7.3 2008.07,433.38 2020,445.31 R27.1
NetQ8_3: Q8.3 R28.1 | length 115.3
  Bottom Layer w10: Q8.3 1433.07,433.38 1445,445.31 R28.1
NetR7_1: R7.1 SW2.1 SW2.4 | length 606.4
  Bottom Layer w23: R7.1 2364.69,2905.31 2466.42,2803.58 2466.42,2719.29 SW2.4@2466.42,2380.71
NetR7_2: R7.2 U1.5 | length 218.5
  Bottom Layer w8: U1.5 2237.23,2710.5 2265,2738.27 2265,2820 2289.68,2844.68 R7.2
NetR8_1: R8.1 R11.2 U2.4 | length 202.6
  Bottom Layer w23: R8.1 380.31,2615 R11.2 454.68,2659.68 485.5,2690.5 U2.4
NetR12_1: R12.1 R13.1 U4.4 | length 185.2
  Top Layer w8: R12.1 R13.1 1365,675.31 U4.4@1365,781.91
NRST: C52.1 R20.1 SW4.1 U3.7 | length 798
  Bottom Layer w8: U3.7 1964.05,1643.43 2005,1606.05 2110.31,1500.74 C52.1 R20.1 2186.1,1350 2231.48,1304.62 SW4.1
OSC-IN: C51.1 R22.2 U3.5 Y1.2 | length 605.4
  Bottom Layer w8: U3.5 2025.51,1682.8 2048.03,1705.32 R22.2 2074,1709.32 2128.61,1709.32 Y1.2 2237.1,1755.71 2261.71,1780.32 C51.1
OSC-OUT: C54.1 R22.1 U3.6 Y1.1 | length 603.7
  Bottom Layer w8: U3.6 2027.47,1663.11 2045.89,1644.69 R22.1 2074,1640.69 2128.61,1640.69 Y1.1 2237.1,1594.29 2261.71,1569.69 C54.1
S1-R(E+): C22.2 Q4.3 R12.2 S1.2 U4.3 | length 1460.2
  Top Layer w10: R12.2 1315,750 U4.3@1315,781.91
  Top Layer w20: S1.2 615.75,984.25 1034.21,565.79 Q4.3 1140.79,565.79 1170,595 1229.69,595 1230,595.31 R12.2
S2-R(S+): R14.2 S2.2 | length 1491.2
  Top Layer w8: S2.2 799.45,590.55 910,480 1540,480 1571.1,511.1 R14.2
S4-R(S-): R16.2 S4.2 | length 1176.5
  Top Layer w8: v1(1460,550) 1460.32,549.68 R16.2 ; v1(1750,590) S4.2@2578.74,590
  Bottom Layer w8: v1(1460,550) 1500,590 v1(1750,590)
S12-W: S1.1 S2.1 | length 486.2
  Top Layer w8: S2.1 177.17,862.83 100,940 100,1005 128.46,1033.46 S1.1
S23-B: S2.3 S3.3 | length 2698.2
  Top Layer w8: S2.3 v1(711.34,541.34) ; v1(1740,1033.46) S3.3
  Bottom Layer w8: v1(711.34,541.34) 865,695 1560,695 1740,875 v1(1740,1033.46)
S34-W: S3.1 S4.1 | length 480.6
  Top Layer w8: S4.1 2626.34,541.34 2650,565 2650,637.01 2578.74,708.27 S3.1
S41-B: S1.3 S4.3 | length 2523.9
  Top Layer w8: S1.3 v1(525,935.04) ; v1(1705,935) 2000.24,639.76 S4.3
  Bottom Layer w8: v1(525,935.04) v1(1705,935)
  Bottom Layer w10: v1(1705,935) v1(1705,935)
SWCLK: R34.2 U3.37 | length 79.1
  Bottom Layer w8: U3.37@1451.73,1814.45 R34.2@1451.73,1893.6
SWDIO: R33.2 U3.34 | length 263
  Bottom Layer w10: R33.2@1152.66,1757.34 1187.83,1722.17 U3.34
USART1-RX: Q5.3 R25.2 U3.43 | length 387.3
  Bottom Layer w8: R25.2 1474.68,2130.32 1549.21,2055.79 Q5.3 1569.84,2055.63 U3.43@1569.84,1814.45
VBAT(3.7V): 3.7-4.2V.1 BAT.2 C6.2 L1.2 R5.2 | length 1116.7
  Top Layer w20: BAT.2 BAT.2@2567.4,2900
  Top Layer w23: BAT.2@2567.4,2900 v2(2650,2900)
  Bottom Layer w20: L1.2 2180,2265.87 3.7-4.2V.1
  Bottom Layer w23: C6.2 2510.32,2275.32 2555,2320 2555,2805 v2(2650,2900)
pads on no net: BAT.3 BAT.4 CAN.0 CN5.0 Designator2.1 Designator3.1 Designator5.1 Designator6.1 LEDL.0 LEDR.0 S1.0 S2.0 S3.0 S4.0 SW1.1 U2.1 U2.6 U3.2 U3.3 U3.4 U3.10 U3.11 U3.12 U3.13 U3.14 U3.21 U3.22 U3.25 U3.26 U3.27 U3.28 U3.29 U3.30 U3.31 U3.38 U3.39 U3.40 U3.41 U3.42 U4.13 USB2.0 USB2.2 USB2.3 USB.2 USB.3 USB.4 USB.6

## Polygon pours and split planes (outlines as drawn)
GND on Bottom Layer "Top Layer-GND 1" (solid, remove dead copper, pour order 59): 78.74,0 cw(c78.74,78.74) 0,78.74 0,3170 180,3170 255,3095 255,2440 380,2315 920,2315 1050,2445 1050,3445 1148.31,3543.31 1720,3543.31 1825,3438.31 1825,2820 1605,2600 1605,2220 1690,2135 2635,2135 2755.91,2014.09 2755.91,78.74 cw(c2677.17,78.74) 2677.17,0
GND on Bottom Layer "Bottom Layer-GND" (solid, remove dead copper, pour order 57): 849.19,3540.81 952.5,3437.5 952.5,2472.5 887.5,2407.5 427.14,2407.5 352.5,2482.14 352.5,3437.5 455.81,3540.81
GND on Bottom Layer "Bottom Layer-GND 2" (solid, pour order 53): 1705,2235 1705,2445 1750,2490 1885,2490 1920,2525 1920,3435 2025,3540 2695,3540 2755,3480 2755,2310 2635,2190 1750,2190
3.3V-LEDL on Bottom Layer "Bottom Layer-3.3V-LEDL" (solid, pour order 45): 165,500 160,495 160,450 165,445 435,445 440,450 440,495 435,500
3.3V-LEDR on Bottom Layer "Bottom Layer-3.3V-LEDR" (solid, pour order 43): 2320,500 2315,495 2315,450 2320,445 2590,445 2595,450 2595,495 2590,500
5V on Bottom Layer "Bottom Layer-5V" (solid, pour order 41): 385,1190 385,1070.32 364.68,1050 235,1050 215,1070 215,1190 235.01,1210.01 364.68,1210.32
5V on Bottom Layer "Bottom Layer-5V 1" (solid, pour order 39): 2540,1190 2540,1070.32 2519.68,1050 2390,1050 2370,1070 2370,1190 2390.01,1210.01 2519.68,1210.32
3.3V-MCU on Bottom Layer "Bottom Layer-3.3V-MCU" (solid, pour order 35): 1831.58,1410.52 1820,1398.94 1820,1330 1830,1320 1925.93,1320 1935,1329.06 1935,1400 1924.93,1410.07
5V on Bottom Layer "Bottom Layer-5V 2" (solid, pour order 31): 1297.68,2429.82 1260,2467.5 1260,2468.66 1180,2468.66 1162.5,2451.16 1162.5,2275.32 1177.82,2260 1255,2260 1297.68,2302.68
NetC45_2 on Bottom Layer "Bottom Layer-NetC45_2" (solid, pour order 29): 1955,1536.73 1940.94,1550.79 1835.79,1550.79 1820,1535 1820,1452.16 1832.16,1440 1934.45,1440 1955,1460.55
3.3V-MCU on Bottom Layer "Bottom Layer-3.3V-MCU 1" (solid, pour order 25): 465,2085 345,2085 335,2075 335,1940 345,1930 675,1930 685.04,1940.04 685.04,2014.96 675,2025 485,2025 475,2035 475,2075
5V-IN on Bottom Layer "Bottom Layer-5V-IN" (solid, pour order 24): 1551.93,3100.67 1532.6,3120 1280,3120 1255,3095 1255,2920 1269.69,2905.31 1320.31,2905.31 1340,2925 1340,3038.33 1354.29,3055 1545,3055 1551.93,3061.69
VBAT(3.7V) on Bottom Layer "Bottom Layer-VBAT(3.7V)" (solid, pour order 22): 2365,2365 2355,2375 2050,2375 2035,2360 2035,2270 2050,2255 2355,2255 2365,2265
NetC1_1 on Bottom Layer "Bottom Layer-NetC1_1" (solid, pour order 20): 2065,2687.5 2017.5,2687.5 1985,2655 1985,2465 1970,2450 1595,2450 1585,2460 1585,2520 1595,2530 1903.42,2530 1915,2541.58 1915,2670 1975,2730 2065,2730
5V-EX on Bottom Layer "Bottom Layer-5V-EX" (solid, pour order 18): 1096.25,2401.25 998.75,2401.25 985,2415 985,2715 1010,2740 1010,3180 1025,3195 1155,3195 1170,3180 1170,3020 1110,2960 1110,2415
NetD9_3 on Bottom Layer "Bottom Layer-NetD9_3" (solid, pour order 16): 590,2410 610,2390 782.5,2390 805,2412.5 805,2800 755,2850 645,2850 645,2760 680,2760 710,2730 710,2610 681.85,2581.85 611.85,2581.85 590,2560
no net on Bottom Layer "Bottom Layer-No Net" (solid, pour order 10): 635,2665
24V on Bottom Layer "Bottom Layer-24V" (solid, pour order 4): 665,2910 680,2895 755,2895 800,2940 800,3330 800,3445 760,3485 690,3485 645,3440 645,3325 665,3305
GND on Top Layer "Top Layer-GND" (solid, pour order 56): 849.19,3540.81 952.5,3437.5 952.5,2472.5 887.5,2407.5 427.14,2407.5 352.5,2482.14 352.5,3437.5 455.81,3540.81
GND on Top Layer "Top Layer-GND 1" (solid, remove dead copper, pour order 54): 78.74,0 cw(c78.74,78.74) 0,78.74 0,3170 180,3170 255,3095 255,2440 380,2315 920,2315 1050,2445 1050,3445 1148.31,3543.31 1720,3543.31 1825,3438.31 1825,2820 1605,2600 1605,2220 1690,2135 2635,2135 2755.91,2014.09 2755.91,78.74 cw(c2677.17,78.74) 2677.17,0
GND on Top Layer "Top Layer-GND 2" (solid, pour order 52): 1705,2235 1705,2445 1750,2490 1885,2490 1920,2525 1920,3435 2025,3540 2695,3540 2755,3480 2755,2310 2635,2190 1750,2190
3.3V-MCU on Top Layer "Top Layer-3.3V-MCU" (solid, pour order 37): 1845.46,1410.46 1820,1385 1820,1342.89 1842.89,1320 1925,1320 1935,1330 1935,1400 1924.93,1410.07
5V on Top Layer "Top Layer-5V" (solid, pour order 33): 1297.68,2429.82 1260,2467.5 1260,2468.66 1180,2468.66 1162.5,2451.16 1162.5,2275.32 1177.82,2260 1255,2260 1297.68,2302.68
3.3V-MCU on Top Layer "Top Layer-3.3V-MCU 1" (solid, pour order 27): 465,2085 345,2085 335,2075 335,1940 345,1930 675,1930 685.04,1940.04 685.04,2014.96 675,2025 485,2025 475,2035 475,2075
24V on Top Layer "Top Layer-24V" (solid, pour order 6): 665,3085 680,3070 779.99,3069.99 800,3090 800,3330 800,3445 760,3485 690,3485 645,3440 645,3325 665,3305

## Other copper
Bottom Layer:
  pour cut-out: 1349.29,1814.82 1359.13,1814.82 1375.06,1798.89 1375.06,1787.55 1365.34,1787.55 1352.79,1775 1350,1777.79 1350,1794.29
  pour cut-out: 2097.99,3065.71 2090.26,3065.71 2090.26,2996.94 2092.33,2994.86 2095.26,2994.86 2095.26,2995.26 2165,3065
  pour cut-out: 2368.91,2856.16 2366.2,2856.16 2364.29,2854.24 2364.29,2806.38 2419.35,2806.38 2420,2807.03
  pour cut-out: 2370.43,2393.58 2370.43,2379.96 2385.39,2365 2385.39,2307.09 2439.8,2307.09 2441.5,2308.78 2441.5,2327.78 2425.97,2343.31 2425.97,2390 2422.39,2393.58
  pour cut-out: 2370.43,2393.58
  pour cut-out: 2633.3,2936.38 2633.3,2932.37 2634.3,2931.38 2620.57,2917.65 2619.43,2917.65 2619.43,2914.36 2532.53,2827.47 2532.53,2821.45 2524.31,2813.22 2524.31,2811.89 2526.2,2810 2523.23,2807.03 2523.23,2333.16 2497.16,2307.09 2492.2,2307.09 2490.51,2308.78 2490.51,2327.78 2506.03,2343.31 2506.03,2411.08 2497.11,2420 2498.19,2421.08 2498.19,2650.08 2505.69,2650.08 2505.69,2796.38 2497.93,2796.38 2493.93,2800.37 2493.93,2819.47 2380.57,2932.83 2368.94,2932.83 2364.29,2937.48 2364.29,2950.21 2385.71,2950.21 2385.71,2936.38 2464.29,2936.38 2464.29,2950.22 2485.71,2950.22 2485.71,2936.38 2564.29,2936.38 2564.29,2950.22 2585.71,2950.22 2585.71,2936.38
  pour cut-out: 1803.54,2190 1750,2190 1705,2235 1705,2283.23 1716.84,2283.23 1805.45,2194.62

## Silkscreen, mask and mechanical layers (free items; w line width, h text height)
Top Overlay:
  circle w10: c2559.06,196.85 r157.48
  circle w10: c196.85,196.85 r157.48
  circle w10: c2559.06,3346.46 r157.48
  circle w10: c196.85,3346.46 r157.48
  text "+" at 2550,3050 h60 r180
  text "-" at 2559.06,2710 h60 r90
  text "VRGB" at 895,225 h50
  text "VRGB" at 1680,225 h50
Bottom Overlay:
  text "G FB 5V" at 1526.1,3145 h50
  text "GND" at 500,3050 h50
  text "24V" at 860,2906.7 h50
  text "BAT" at 2625,2770 h60
  text "5V" at 1392.52,2305 h60 r270
  text "V G C D" at 1354.57,2170 h50
  text "G 5V RX" at 2095,2170 h50
  text "H" at 465,1730 h60
  text "L" at 465,1409.25 h60
  text "RPS_ARMOR_V1.0" at 1800,1025 h60
  text "SCQ_20220214" at 1755,900 h60
Mechanical 1:
  the board outline again, w10